# KiCad board JumperLuxRev2Breadboard.kicad_pcb (continued)
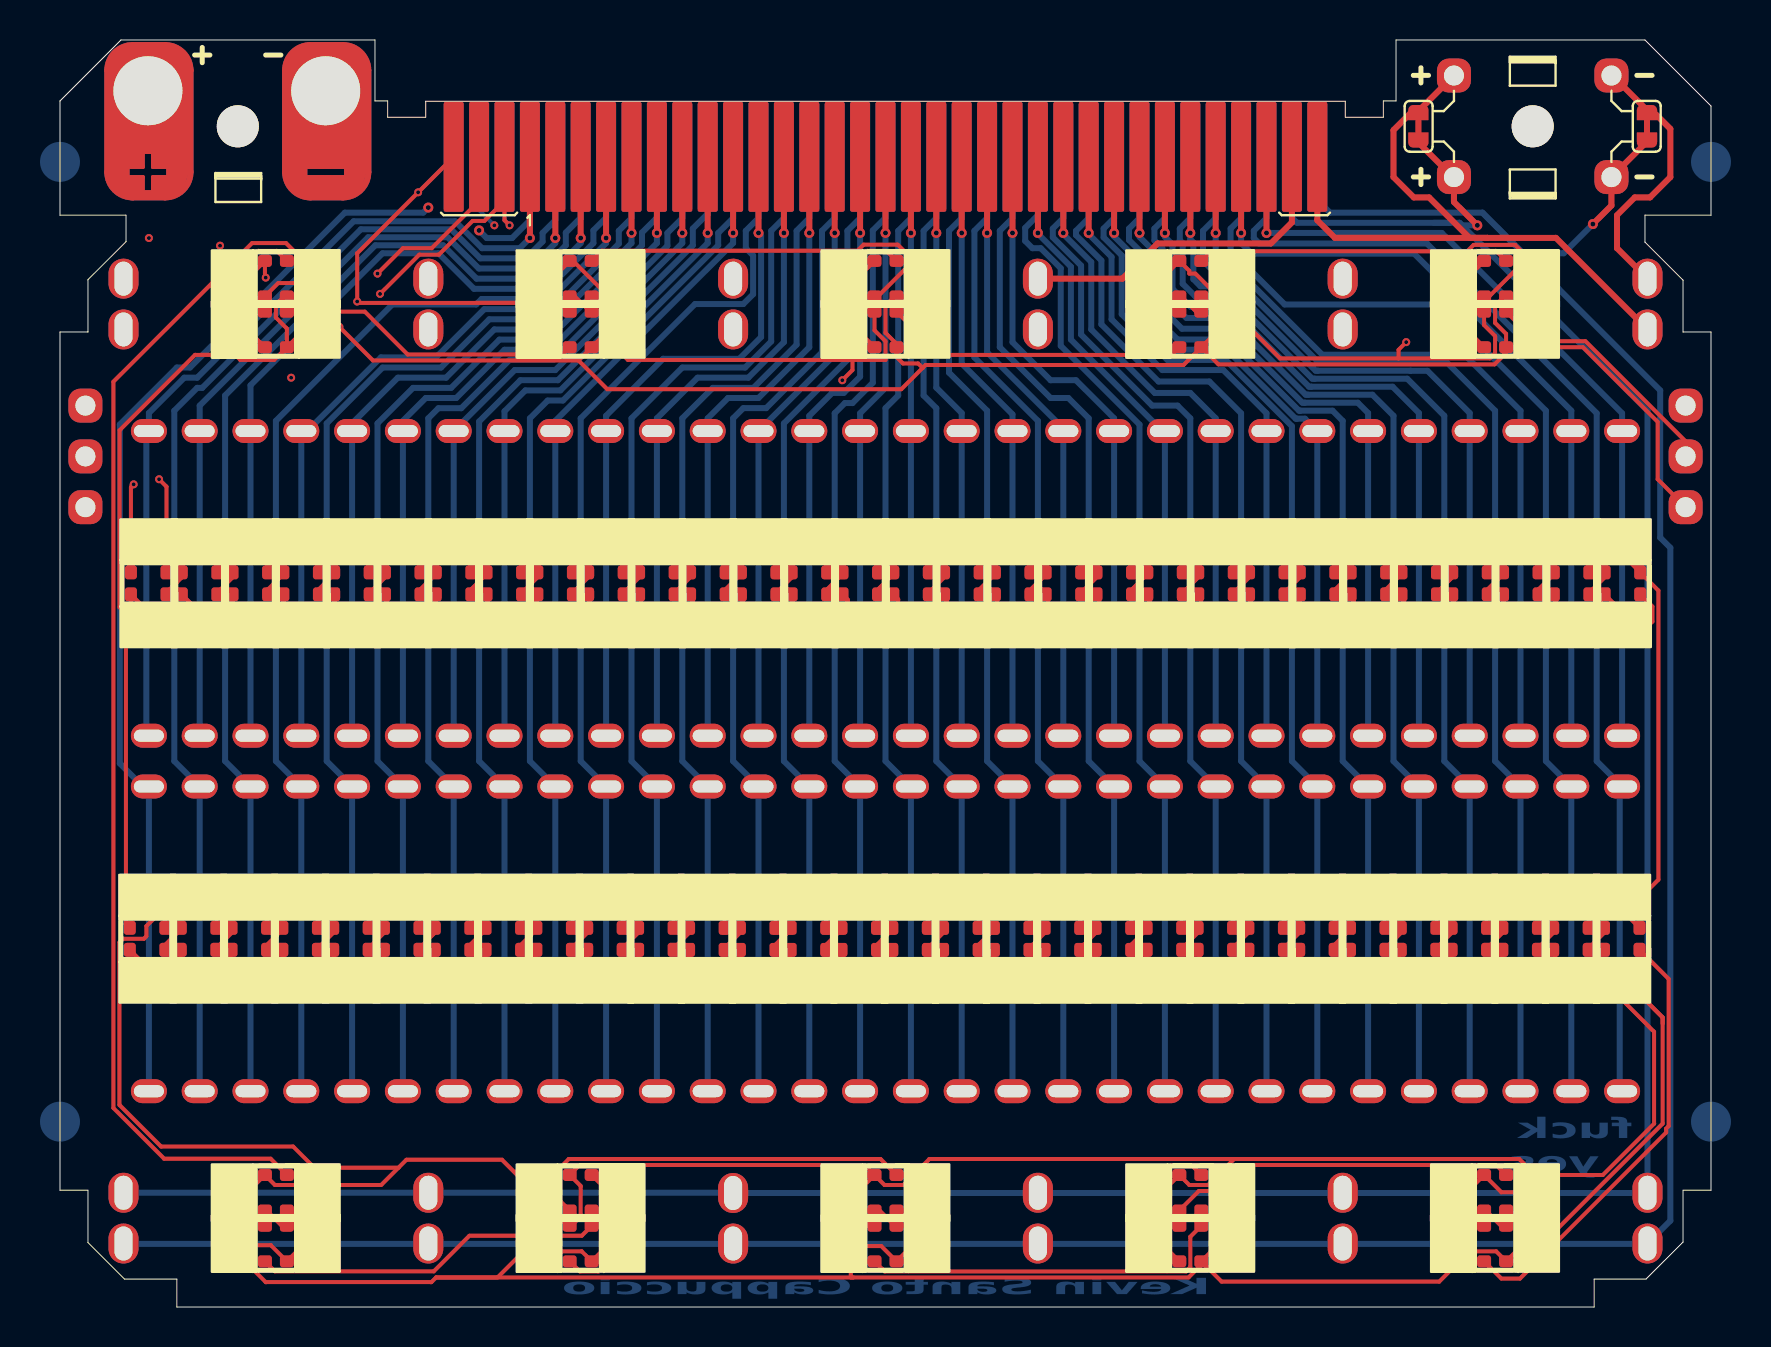
[diagram p0: board, top side]
## Routing (per net, layer and track width the routed paths; a pad name or vN(x,y) marks a point on that pad's centre or on a via; arc(x,y) is an arc through that point) (continued)
  In1.Cu w0.2: v1(78.68,15.94) 79.96,17.22 79.96,33.45 v1(78.87,34.54) 78.99,34.54 81.28,36.83 TP22.1 ; 3.39,15.28 2.79,15.88 2.79,33.4 v1(3.68,34.29) 1.27,36.7 TP21.1 ; 3.39,15.28 3.43,15.32 v1(3.43,16.26) ; 3.39,15.28 5.6,13.07 5.6,6.44 v1(8.38,3.66) ; v1(13.97,49.02) 14.65,49.02 16,50.37 v1(16,50.67)
  Bottom w0.2: J1.67 22.23,54.36 v1(22.48,54.1)
LED_GND: length 541.2
  Top w0.2: D15.2 40.87,36.78 40.87,37.34 ; 10.41,37.34 10.41,36.75 D3.2 ; 10.41,37.34 12.93,37.34 ; 10.41,37.34 7.85,37.34 ; D53.2 61.2,19.46 61.14,19.52 ; 78.43,19.52 78.74,19.83 v1(78.74,20.19) 79.92,21.37 79.92,35.83 D30.2 78.41,37.34 ; 78.43,19.52 76.58,19.52 ; 78.43,19.52 D60.2 ; 12.83,19.52 12.9,19.45 D34.2 ; 12.83,19.52 15.39,19.52 ; 12.83,19.52 10.26,19.52 ; 45.97,37.34 45.98,37.34 D17.2 ; 45.97,37.34 48.49,37.34 ; 45.97,37.34 43.38,37.34 ; 20.52,19.52 20.52,19.51 D37.2 ; 20.52,19.52 23.11,19.52 ; 20.52,19.52 17.98,19.52 ; 51.05,37.34 51.05,36.75 D19.2 ; 51.05,37.34 48.49,37.34 ; 51.05,37.34 53.67,37.34 ; 5.77,19.52 5.74,19.52 5.27,19.04 D31.2 5.26,18.98 5.26,19.52 ; 5.77,19.52 5.26,19.52 ; 5.77,19.52 7.85,19.52 ; D76.2 40.18,6.05 40.18,4.3 40.41,4.06 D75.2 ; D76.2 40.23,7.1 25.99,7.1 D77.2 26.04,6.05 26.04,4.53 25.57,4.06 D78.2 25.4,4.06 22.1,7.37 17.32,7.37 16.92,6.96 ; D76.2 41.23,6.1 42.17,6.1 43.47,7.4 58.71,7.4 ; 40.97,19.52 40.85,19.4 D45.2 ; 40.97,19.52 43.41,19.52 ; 40.97,19.52 38.25,19.52 ; D54.2 63.74,19.4 63.86,19.52 ; D86.2 40.81,49.78 ; D86.2 40.73,48.85 41.27,48.3 41.27,47.37 39.62,47.37 ; D86.2 40.64,49.78 40.13,50.29 40.13,51.73 D85.2 ; 15.39,19.52 17.98,19.52 ; 15.39,19.52 15.44,19.47 D35.2 ; 12.93,37.34 12.93,36.76 D4.2 ; 12.93,37.34 15.47,37.34 ; 35.71,19.52 35.77,19.46 D43.2 ; 35.71,19.52 38.25,19.52 ; 35.71,19.52 33.17,19.52 ; 40.87,37.34 38.38,37.34 ; 40.87,37.34 43.38,37.34 ; 38.38,37.34 38.38,36.76 D14.2 ; 38.38,37.34 35.79,37.34 ; 7.85,19.52 7.82,19.48 D32.2 ; 7.85,19.52 10.26,19.52 ; 48.49,19.52 45.92,19.52 ; 48.49,19.52 51.03,19.52 ; 48.49,19.52 48.47,19.5 D48.2 ; 45.92,19.52 45.93,19.51 D47.2 ; 45.92,19.52 43.41,19.52 ; 78.41,37.34 78.87,37.8 v1(78.87,37.85) ; 78.41,37.34 76.48,37.34 ; D79.2 10.16,4.06 9.69,4.53 9.69,6.05 D80.2 10.74,6.1 16.06,6.1 16.92,6.96 ; D28.2 73.93,37.34 73.94,37.34 ; 74.09,19.52 74.09,19.16 D58.2 ; 74.09,19.52 76.58,19.52 ; 74.09,19.52 71.32,19.52 ; 76.58,19.52 76.44,19.37 D59.2 ; 61.14,19.52 58.65,19.52 ; 61.14,19.52 63.86,19.52 ; 56.16,37.34 56.16,36.76 D21.2 ; 56.16,37.34 58.67,37.34 ; 56.16,37.34 53.67,37.34 ; 19.69,57.53 v1(17.91,55.75) 14.86,52.7 v1(14.86,50.29) 14.93,50.22 23.38,50.22 D84.2 ; 58.65,19.52 58.65,18.97 D52.2 ; 58.65,19.52 56.08,19.52 ; 16.92,6.96 12.72,6.96 11.66,8.03 5.05,8.03 2.97,10.11 2.97,18.24 3.15,18.42 4.19,18.42 4.32,18.54 4.32,19.05 4.78,19.52 5.26,19.52 ; 23.09,37.34 20.55,37.34 ; 23.09,37.34 23.09,36.76 D8.2 ; 23.09,37.34 25.63,37.34 ; 20.55,37.34 18.01,37.34 ; 20.55,37.34 20.55,36.76 D7.2 ; 66.22,19.52 63.86,19.52 ; 66.22,19.52 68.91,19.52 ; 66.22,19.52 66.22,19.02 D55.2 ; 58.67,37.34 58.67,36.76 D22.2 ; 58.67,37.34 61.29,37.34 ; D25.2 66.32,36.76 66.32,37.34 ; v1(76.83,16.26) 77.22,16.26 79.71,13.77 79.71,9.17 77.14,6.6 73.48,6.6 ; D26.2 68.88,36.78 68.88,37.34 ; v1(10.29,51.49) 10.24,51.53 D81.2 9.7,51.77 9.7,50.25 10.16,49.78 D82.2 ; 18.01,37.34 18.01,36.76 D6.2 ; 18.01,37.34 15.47,37.34 ; 30.73,37.34 D11.2 ; 30.73,37.34 33.17,37.34 ; 30.73,37.34 28.19,37.34 ; 53.59,19.52 51.03,19.52 ; 53.59,19.52 53.56,19.48 D50.2 ; 53.59,19.52 56.08,19.52 ; 51.03,19.52 51.01,19.5 D49.2 ; 63.78,37.34 63.78,36.76 D24.2 ; 63.78,37.34 66.32,37.34 ; 63.78,37.34 61.29,37.34 ; 76.48,37.34 73.94,37.34 ; 76.48,37.34 76.47,37.34 D29.2 ; 73.94,37.34 71.37,37.34 ; 73.48,6.6 73.48,6.38 72.85,5.74 72.07,5.74 D72.2 70.66,6.05 70.66,4.53 71.12,4.06 D71.2 ; 73.48,6.6 73.48,6.88 72.96,7.4 58.71,7.4 ; 38.25,19.52 38.31,19.46 D44.2 ; 30.58,19.52 28.12,19.52 ; 30.58,19.52 30.68,19.41 D41.2 ; 30.58,19.52 33.17,19.52 ; 28.12,19.52 25.63,19.52 ; 28.12,19.52 28.14,19.5 D40.2 ; D12.2 33.17,36.85 33.17,37.34 ; 43.41,19.52 43.39,19.5 D46.2 ; v1(5.33,20.45) 5.33,19.59 5.26,19.52 ; 25.63,19.52 23.11,19.52 ; 25.63,19.52 25.63,19 D39.2 ; 48.49,37.34 48.49,36.78 D18.2 ; 66.93,47.45 61.01,47.45 56.77,51.69 56.46,51.69 56.46,51.82 D88.2 55.41,51.77 55.41,50.25 55.88,49.78 D87.2 ; 66.93,47.45 66.93,47.88 v1(67.31,48.26) ; 66.93,47.45 71.49,47.45 71.76,47.71 71.76,48.56 71.21,49.11 D90.2 71.12,49.78 70.66,50.25 70.66,51.77 D89.2 ; D57.2 71.32,19 71.32,19.52 ; 7.85,37.34 7.87,37.33 D2.2 ; 7.85,37.34 5.84,37.34 5.33,36.83 D1.2 5.33,41.03 v1(4.95,41.4) ; D16.2 43.38,36.8 43.38,37.34 ; 68.88,37.34 66.32,37.34 ; 68.88,37.34 71.37,37.34 ; 28.19,37.34 25.63,37.34 ; 28.19,37.34 28.19,36.75 D10.2 ; 25.63,37.34 25.63,36.76 D9.2 ; 68.91,19.52 68.82,19.42 D56.2 ; 68.91,19.52 71.32,19.52 ; 39.62,47.37 28.4,47.37 27.48,48.29 27.48,50.49 25.65,52.32 D84.2 ; 39.62,47.37 39.62,46.86 v1(39.12,46.35) ; 61.29,37.34 61.29,36.81 D23.2 ; D42.2 33.23,19.46 33.17,19.52 ; 53.67,37.34 53.67,36.81 D20.2 ; 58.71,7.4 57.41,6.1 56.46,6.1 D73.2 55.41,6.05 55.41,4.53 55.88,4.06 D74.2 ; 35.79,37.34 33.17,37.34 ; 35.79,37.34 35.79,36.78 D13.2 ; 10.26,19.52 10.36,19.42 D33.2 ; D5.2 15.47,36.76 15.47,37.34 ; 23.11,19.52 23.06,19.46 D38.2 ; 71.37,37.34 71.37,36.76 D27.2 ; D84.2 24.94,51.77 24.94,50.25 25.4,49.78 D83.2 ; 56.08,19.52 56.08,18.99 D51.2 ; 17.98,19.52 17.98,19.51 D36.2
  In1.Cu w0.2: v1(76.83,16.26) 78.74,18.16 v1(78.74,20.19) ; 44.83,47.69 66.75,47.69 v1(67.31,48.26) 70.54,51.49 74.88,51.49 TP23.1 78.66,42.47 78.66,38.05 v1(78.87,37.85) ; 44.83,47.69 44.66,47.69 ; 44.83,47.69 40.46,47.69 v1(39.12,46.35) ; v1(17.91,55.75) 10.67,55.75 v1(8,53.09) ; v1(4.95,41.4) TP20.1 7.67,51.49 v1(10.29,51.49) 11.13,52.32 12.83,52.32 v1(14.86,50.29)
  In2.Cu w0.2: v1(8,53.09) 7.62,53.47 v1(4.45,53.47) ; v1(5.33,20.45) 5.55,20.66 5.55,40.81 v1(4.95,41.4)
  Bottom w0.2: 19.69,57.53 v1(17.91,55.75)
LED_IN: length 36.9
  Top w0.2: v1(15.88,51.69) 17.15,52.96 18.59,52.96 20.96,55.33 J1.69 ; D1.3 3.55,41.01 v1(3.68,41.15)
  In1.Cu w0.2: TP16.1 2.67,41.15 v1(3.68,41.15) 4.26,40.57 5.14,40.57 5.66,41.1 5.66,46.23 9.28,49.84 15.05,49.84 15.31,50.11 15.31,51.12 v1(15.88,51.69)
LED_OUT: length 102
  Top w0.2: TP15.1 81.28,43.3 76.27,48.31 73.78,48.31 D90.1
  In1.Cu w0.2: v1(21.72,54.1) 21.72,53.14 18.81,50.23 17.09,50.23 13.34,46.48 v1(11.56,46.48)
  In2.Cu w0.2: v1(11.56,46.48) 11.88,46.8 77.66,46.8 81.28,43.18 TP15.1
  Bottom w0.2: v1(21.72,54.1) 20.96,54.86 J1.66
Net-(D1-DOUT): length 1.4
  Top w0.2: D1.1 5.33,35.73 6.09,36.49 D2.3
Net-(D2-DOUT): length 1.4
  Top w0.2: D3.3 8.63,36.49 7.87,35.73 D2.1
Net-(D3-DOUT): length 1.4
  Top w0.2: D4.3 11.17,36.66 10.41,35.9 D3.1
Net-(D4-DOUT): length 1.4
  Top w0.2: D5.3 13.71,36.66 12.95,35.9 D4.1
Net-(D5-DOUT): length 1.4
  Top w0.2: D6.3 16.25,36.49 15.49,35.73 D5.1
Net-(D6-DOUT): length 1.4
  Top w0.2: D6.1 18.03,35.9 18.79,36.66 D7.3
Net-(D7-DOUT): length 1.4
  Top w0.2: D7.1 20.57,35.9 21.33,36.66 D8.3
Net-(D8-DOUT): length 1.4
  Top w0.2: D9.3 23.87,36.49 23.11,35.73 D8.1
Net-(D10-DIN): length 1.4
  Top w0.2: D10.3 26.41,36.49 25.65,35.73 D9.1
Net-(D10-DOUT): length 1.4
  Top w0.2: D10.1 28.19,35.72 28.96,36.49 D11.3
Net-(D11-DOUT): length 1.4
  Top w0.2: D12.3 31.5,36.49 30.73,35.72 D11.1
Net-(D12-DOUT): length 1.4
  Top w0.2: D12.1 33.28,35.9 34.04,36.66 D13.3
Net-(D13-DOUT): length 1.4
  Top w0.2: D13.1 35.82,35.73 36.58,36.49 D14.3
Net-(D14-DOUT): length 1.4
  Top w0.2: D14.1 38.36,35.9 39.12,36.66 D15.3
Net-(D15-DOUT): length 1.4
  Top w0.2: D15.1 40.9,35.9 41.66,36.66 D16.3
Net-(D16-DOUT): length 1.4
  Top w0.2: D17.3 44.2,36.49 43.44,35.73 D16.1
Net-(D17-DOUT): length 1.4
  Top w0.2: D18.3 46.74,36.66 45.98,35.9 D17.1
Net-(D18-DOUT): length 1.4
  Top w0.2: D18.1 48.52,35.87 49.28,36.63 D19.3
Net-(D19-DOUT): length 1.4
  Top w0.2: D20.3 51.82,36.49 51.06,35.73 D19.1
Net-(D20-DOUT): length 1.4
  Top w0.2: D21.3 54.36,36.66 53.6,35.9 D20.1
Net-(D21-DOUT): length 1.4
  Top w0.2: D21.1 56.14,35.72 56.91,36.49 D22.3
Net-(D22-DOUT): length 1.4
  Top w0.2: D22.1 58.69,35.73 59.45,36.49 D23.3
Net-(D23-DOUT): length 1.4
  Top w0.2: D23.1 61.23,35.73 61.99,36.49 D24.3
Net-(D24-DOUT): length 1.4
  Top w0.2: D24.1 63.77,35.9 64.53,36.66 D25.3
Net-(D25-DOUT): length 1.4
  Top w0.2: D25.1 66.31,35.9 67.07,36.66 D26.3
Net-(D26-DOUT): length 1.4
  Top w0.2: D26.1 68.85,35.73 69.61,36.49 D27.3
Net-(D27-DOUT): length 1.4
  Top w0.2: D27.1 71.39,35.9 72.15,36.66 D28.3
Net-(D28-DOUT): length 1.4
  Top w0.2: D28.1 73.93,35.9 74.69,36.66 D29.3
Net-(D29-DOUT): length 1.4
  Top w0.2: D29.1 76.47,35.73 77.23,36.49 D30.3
Net-(D30-DOUT): length 92.7
  Top w0.2: D31.3 3.3,19.16 3.3,33.15 3.79,33.65 78.99,33.65 79.62,34.28 79.62,35.03 D30.1
Net-(D31-DOUT): length 1.4
  Top w0.2: D32.3 6.04,18.89 5.27,18.12 D31.1
Net-(D32-DOUT): length 1.4
  Top w0.2: D32.1 7.82,17.95 8.58,18.71 D33.3
Net-(D33-DOUT): length 1.4
  Top w0.2: D33.1 10.36,18.12 11.12,18.88 D34.3
Net-(D34-DOUT): length 1.4
  Top w0.2: D35.3 13.66,18.71 12.9,17.95 D34.1
Net-(D35-DOUT): length 1.4
  Top w0.2: D35.1 15.44,17.95 16.2,18.71 D36.3
Net-(D36-DOUT): length 1.4
  Top w0.2: D36.1 17.98,17.95 18.74,18.71 D37.3
Net-(D37-DOUT): length 1.4
  Top w0.2: D38.3 21.28,18.88 20.52,18.12 D37.1
Net-(D38-DOUT): length 1.4
  Top w0.2: D38.1 23.06,18.12 23.82,18.88 D39.3
Net-(D39-DOUT): length 1.4
  Top w0.2: D40.3 26.36,18.71 25.6,17.95 D39.1
Net-(D40-DOUT): length 1.4
  Top w0.2: D41.3 28.91,18.71 28.14,17.94 D40.1
Net-(D41-DOUT): length 1.4
  Top w0.2: D42.3 31.45,18.71 30.68,17.94 D41.1
Net-(D42-DOUT): length 1.4
  Top w0.2: D43.3 33.99,18.71 33.23,17.95 D42.1
Net-(D43-DOUT): length 1.4
  Top w0.2: D43.1 35.77,18.12 36.53,18.88 D44.3
Net-(D44-DOUT): length 1.4
  Top w0.2: D44.1 38.31,18.12 39.07,18.88 D45.3
Net-(D45-DOUT): length 1.4
  Top w0.2: D46.3 41.61,18.88 40.85,18.12 D45.1
Net-(D46-DOUT): length 1.4
  Top w0.2: D46.1 43.39,17.95 44.15,18.71 D47.3
Net-(D47-DOUT): length 1.4
  Top w0.2: D47.1 45.93,18.12 46.69,18.88 D48.3
Net-(D48-DOUT): length 1.4
  Top w0.2: D48.1 48.47,17.95 49.23,18.71 D49.3
Net-(D49-DOUT): length 1.4
  Top w0.2: D49.1 51.01,17.94 51.78,18.71 D50.3
Net-(D50-DOUT): length 1.4
  Top w0.2: D51.3 54.33,18.89 53.56,18.12 D50.1
Net-(D51-DOUT): length 1.4
  Top w0.2: D52.3 56.88,18.71 56.11,17.94 D51.1
Net-(D52-DOUT): length 1.4
  Top w0.2: D53.3 59.42,18.73 58.66,17.97 D52.1
Net-(D53-DOUT): length 1.4
  Top w0.2: D53.1 61.2,17.95 61.96,18.71 D54.3
Net-(D54-DOUT): length 1.4
  Top w0.2: D54.1 63.74,18.12 64.5,18.88 D55.3
Net-(D55-DOUT): length 1.4
  Top w0.2: D56.3 67.04,18.71 66.28,17.95 D55.1
Net-(D56-DOUT): length 1.4
  Top w0.2: D56.1 68.82,17.95 69.58,18.71 D57.3
Net-(D57-DOUT): length 1.4
  Top w0.2: D58.3 72.12,18.71 71.36,17.95 D57.1
Net-(D58-DOUT): length 1.4
  Top w0.2: D59.3 74.66,18.71 73.9,17.95 D58.1
Net-(D59-DOUT): length 1.4
  Top w0.2: D59.1 76.44,17.95 77.2,18.71 D60.3
Net-(D60-DOUT): length 22.3
  Top w0.2: D60.1 80.43,16.41 80.43,9.05 80.31,8.92 80.31,8.73 73,1.42 72.07,1.42 D71.3
Net-(D71-DOUT): length 1.4
  Top w0.2: D72.3 71.29,4.83 72.05,4.06 D71.1
Net-(D72-DOUT): length 17.5
  Top w0.2: D72.1 71.81,7.1 58.83,7.1 57.53,5.8 56.94,5.8 D73.3
Net-(D73-DOUT): length 7
  Top w0.2: D74.3 55.12,3.14 55.12,6.6 55.62,7.1 56.57,7.1 D73.1
Net-(D74-DOUT): length 18.4
  Top w0.2: D74.1 56.52,3.51 56.52,1.99 56.3,1.78 41.23,1.78 D75.3
Net-(D75-DOUT): length 1.4
  Top w0.2: 41.83,4.06 41.74,4.06 40.98,4.83 D76.3
Net-(D76-DOUT): length 19.7
  Top w0.2: D77.3 24.94,5.38 24.94,6.9 25.44,7.4 41.02,7.4 41.83,6.6
Net-(D77-DOUT): length 7
  Top w0.2: D77.1 27.44,5.75 27.44,2.29 26.92,1.78 25.99,1.78 D78.3
Net-(D78-DOUT): length 17.5
  Top w0.2: D78.1 26.09,3.56 20.47,3.56 18.69,1.79 10.74,1.79 D79.3
Net-(D79-DOUT): length 1.4
  Top w0.2: D79.1 11.09,4.06 10.33,4.83 D80.3
Net-(D80-DOUT): length 62.1
  Top w0.2: D80.1 10.53,7.42 5.21,7.42 2.67,9.95 2.67,46.28 9.6,53.21 11.3,53.21 11.9,52.62 11.9,51.21 10.91,51.21 D81.3
Net-(D81-DOUT): length 7.1
  Top w0.2: D81.1 10.85,52.82 9.9,52.82 9.35,52.27 9.35,48.9 D82.3
Net-(D82-DOUT): length 15.2
  Top w0.2: D82.1 15.24,49.78 17.38,47.64 25.12,47.64 D83.3
Net-(D83-DOUT): length 1.4
  Top w0.2: D83.1 26.5,49.78 25.74,50.55 D84.3
Net-(D84-DOUT): length 19.2
  Top w0.2: D85.3 40.89,50.55 42.38,52.03 42.38,52.65 41.88,53.14 40.18,53.14 39.88,52.83 27.09,52.83 D84.1
Net-(D85-DOUT): length 7.1
  Top w0.2: D86.3 39.83,48.9 39.83,52.3 40.35,52.82 41.33,52.82 41.83,52.32
Net-(D86-DOUT): length 15.2
  Top w0.2: D87.3 55.58,47.62 43.99,47.62 41.83,49.78
Net-(D87-DOUT): length 1.4
  Top w0.2: D87.1 56.81,49.78 56.05,50.55 D88.3
Net-(D88-DOUT): length 19.7
  Top w0.2: D88.1 57.55,52.81 70.37,52.81 70.68,53.12 72.76,53.12 73.13,52.76 73.13,52.21 71.46,50.55 D89.3
Net-(D89-DOUT): length 7.2
  Top w0.2: 72.14,52.32 D89.1 71.81,52.82 70.81,52.82 70.36,52.37 70.36,48.86 D90.3
Net-(J1-Pin_1): length 44.1
  Top w0.3: J1.1 v2(23.49,53.47)
  Bottom w0.3: v2(23.49,53.47) 22.99,52.96 21.1,52.96 19.76,54.3 14.68,54.3 6.86,46.48 6.21,46.48 4.45,44.71 J11.1 4.32,43.69 4.32,28.7 J11.1
Net-(J1-Pin_2): length 43.3
  Top w0.3: 24.77,57.53 v2(24.77,53.47)
  Bottom w0.3: v2(24.77,53.47) 24.77,53.21 23.49,51.94 20.94,51.94 19.38,53.5 15.4,53.5 6.99,45.08 J11.2 J11.2
Net-(J1-Pin_3): length 42.8
  Top w0.3: J1.3 v2(26.04,53.47)
  Bottom w0.3: J11.3 J11.3 9.52,46.1 16.13,52.7 18.92,52.7 20.7,50.93 23.75,50.93 26.04,53.21 v2(26.04,53.47)
Net-(J1-Pin_4): length 38.7
  Top w0.3: J1.4 v2(27.3,53.47)
  Bottom w0.3: v2(27.3,53.47) 27.3,53.21 24,49.91 21.21,49.91 18.8,47.5 16.05,47.5 12.37,43.81 12.07,43.81 12.07,28.57
Net-(J1-Pin_5): length 37.6
  Top w0.3: J1.5 v2(28.58,53.72)
  Bottom w0.3: J11.5 J11.5 14.6,44.2 16.89,46.48 19.3,46.48 21.72,48.89 24.26,48.89 28.58,53.21 v2(28.58,53.72)
Net-(J1-Pin_6): length 36.4
  Top w0.3: 29.85,57.53 v2(29.85,53.72)
  Bottom w0.3: v2(29.85,53.72) 29.85,53.21 24.51,47.88 22.23,47.88 19.81,45.47 18.29,45.47 17.15,44.32 J11.6 J11.6
Net-(J1-Pin_7): length 34.9
  Top w0.3: J1.7 v2(31.12,53.72)
  Bottom w0.3: 19.69,28.57 19.69,43.81 22.73,46.86 24.77,46.86 31.12,53.21 v2(31.12,53.72)
Net-(J1-Pin_8): length 34.2
  Top w0.3: J1.8 v2(32.38,53.72)
  Bottom w0.3: v2(32.38,53.72) 32.38,53.21 25.02,45.85 23.27,45.85 22.23,44.8 J11.8 J11.8
Net-(J1-Pin_9): length 32.6
  Top w0.3: J1.9 v2(33.66,53.72)
  Bottom w0.3: v2(33.66,53.72) 33.66,53.21 24.77,44.32 24.77,28.57
Net-(J1-Pin_10): length 34.5
  Top w0.3: J1.10 v2(34.93,53.72)
  Bottom w0.3: J11.10 J11.10 27.3,44.58 30.16,47.43 33.97,47.43 35.05,48.52 35.05,53.59 v2(34.93,53.72)
Net-(J1-Pin_11): length 33.1
  Top w0.3: J1.11 v2(36.2,53.72)
  Bottom w0.3: v2(36.2,53.72) 36.2,48.26 34.42,46.48 31.88,46.48 29.85,44.45 29.85,28.57
Net-(J1-Pin_12): length 32
  Top w0.3: J1.12 v2(37.46,53.72)
  Bottom w0.3: v2(37.46,53.72) 37.46,48.01 34.93,45.47 33.4,45.47 32.38,44.45 J11.12 J11.12
Net-(J1-Pin_13): length 30.5
  Top w0.3: J1.13 v2(38.74,53.72)
  Bottom w0.3: J11.13 J11.13 38.74,47.62 v2(38.74,53.72)
Net-(J1-Pin_14): length 30.3
  Top w0.3: J1.14 v2(40.01,53.72)
  Bottom w0.3: J11.14 J11.14 37.46,44.58 38.61,45.72 39.19,45.72 40.01,46.54 v2(40.01,53.72)
Net-(J1-Pin_15): length 29.5
  Top w0.3: J1.15 v2(41.27,53.72)
  Bottom w0.3: v2(41.27,53.72) 41.27,45.97 40.01,44.7 J11.15 J11.15
Net-(J1-Pin_16): length 29
  Top w0.3: 42.55,57.53 v2(42.55,53.72)
  Bottom w0.3: v2(42.55,53.72) 42.55,28.57
Net-(J1-Pin_17): length 29.5
  Top w0.3: J1.17 v2(43.82,53.72)
  Bottom w0.3: J11.17 J11.17 45.09,44.71 43.82,45.98 v2(43.82,53.72)
Net-(J1-Pin_18): length 30
  Top w0.3: J1.18 v2(45.09,53.72)
  Bottom w0.3: v2(45.09,53.72) 45.09,47.19 47.63,44.65 47.63,28.57
Net-(J1-Pin_19): length 30.5
  Top w0.3: J1.19 v2(46.35,53.72)
  Bottom w0.3: v2(46.35,53.72) 46.35,47.75 50.16,43.94 J11.19 J11.19
Net-(J1-Pin_20): length 31.8
  Top w0.3: 47.63,57.53 v2(47.63,53.72)
  Bottom w0.3: J11.20 J11.20 52.71,44.45 50.8,46.35 49.53,46.35 47.63,48.26 v2(47.63,53.72)
Net-(J1-Pin_21): length 31.7
  Top w0.3: J1.21 v2(48.9,53.72)
  Bottom w0.3: v2(48.9,53.72) 48.9,53.68 50.55,52.03 50.55,48.39 55.12,43.81 J11.21 J11.21
Net-(J1-Pin_22): length 33.2
  Top w0.3: J1.22 v2(50.16,53.72)
  Bottom w0.3: J11.22 J11.22 57.79,44.45 56.52,45.72 54.74,45.72 51.56,48.89 51.56,52.27 50.16,53.66 v2(50.16,53.72)
Net-(J1-Pin_23): length 34.4
  Top w0.3: J1.23 v2(51.44,53.72)
  Bottom w0.3: v2(51.44,53.72) 51.44,53.66 52.58,52.52 52.58,49.4 55.12,46.86 58.17,46.86 60.33,44.7 60.33,28.57
Net-(J1-Pin_24): length 35
  Top w0.3: J1.24 v2(52.71,53.72)
  Bottom w0.3: v2(52.71,53.72) 52.71,53.55 53.59,52.66 53.59,49.91 55.63,47.88 58.34,47.88 61.79,44.43 62.25,44.43 J11.24 J11.24
Net-(J1-Pin_25): length 36.7
  Top w0.3: J1.25 v2(53.98,53.72)
  Bottom w0.3: v2(53.98,53.72) 53.98,53.52 54.63,52.87 54.63,50.4 56.1,48.93 58.42,48.93 62.12,45.23 62.23,45.23 64.89,45.23 65.41,44.71 65.41,28.57
Net-(J1-Pin_26): length 37.8
  Top w0.3: J1.26 v2(55.24,53.72)
  Bottom w0.3: v2(55.24,53.72) 55.24,53.52 55.63,53.14 55.63,50.93 56.52,50.04 58.44,50.04 62.45,46.03 62.57,46.03 66.63,46.03 67.95,44.71 J11.26 J11.26
Net-(J1-Pin_27): length 38.9
  Top w0.3: J1.27 v2(56.52,53.72)
  Bottom w0.3: v2(56.52,53.72) 56.52,53.4 56.67,53.25 56.67,51.41 57.02,51.05 58.56,51.05 62.78,46.83 62.9,46.83 67.53,46.83 67.53,46.82 68.38,46.82 70.49,44.71 J11.27 J11.27
Net-(J1-Pin_28): length 39.6
  Top w0.3: J1.28 v2(57.79,53.72)
  Bottom w0.3: J11.28 J11.28 73.03,44.83 70.22,47.63 63.11,47.63 58.29,52.45 58.04,52.45 57.79,52.7 v2(57.79,53.72)
Net-(J1-Pin_29): length 40.6
  Top w0.3: J1.29 v2(59.05,53.72)
  Bottom w0.3: J11.29 J11.29 75.56,44.83 67.71,52.69 59.58,52.69 59.05,53.21 v2(59.05,53.72)
Net-(J1-Pin_30): length 41.5
  Top w0.3: 60.33,57.53 v2(60.33,53.72)
  Bottom w0.3: v2(60.33,53.72) 69.09,53.72 78.11,44.7 78.11,28.57
Net-(J1-Pin_31): length 63.3
  In1.Cu w0.3: v2(20.95,53.85) 19.56,53.85 v2(18.41,54.99)
  Bottom w0.3: J11.31 J11.31 4.15,26.03 2.99,27.19 2.99,44.14 5.84,46.99 6.5,46.99 14.25,54.74 18.16,54.74 v2(18.41,54.99) ; J1.31 23.49,54.36 22.61,53.47 21.34,53.47 v2(20.95,53.85)
Net-(J1-Pin_32): length 62.2
  Bottom w0.3: J11.32 J11.32 5.71,27.3 5.71,44.83 6.86,45.97 7.11,45.97 15.04,53.9 19.56,53.9 21.01,52.45 23.29,52.45 24.13,53.29 24.13,53.72 24.77,54.36 24.77,57.53
Net-(J1-Pin_33): length 61.6
  Bottom w0.3: J1.33 26.04,54.48 25.29,53.74 25.29,53.1 23.62,51.44 20.83,51.44 19.16,53.1 15.77,53.1 8.26,45.59 8.26,27.3 J11.33 J11.33
Net-(J1-Pin_34): length 58.2
  Bottom w0.3: 12.07,10.79 12.07,26.03 10.8,27.3 10.8,44.32 16.62,50.14 20.81,50.14 21.08,50.42 23.88,50.42 26.67,53.21 26.67,53.85 27.3,54.48 J1.34
Net-(J1-Pin_35): length 56.9
  Bottom w0.3: J1.35 28.58,54.46 27.94,53.83 27.94,53.18 24.16,49.4 21.46,49.4 19.05,46.99 16.13,46.99 13.34,44.2 13.34,27.3 J11.35 J11.35
Net-(J1-Pin_36): length 55.6
  Bottom w0.3: J11.36 J11.36 15.88,27.3 15.88,44.2 17.65,45.97 19.56,45.97 21.97,48.39 24.38,48.39 29.1,53.1 29.1,53.74 29.85,54.48 29.85,57.53
Net-(J1-Pin_37): length 54.5
  Bottom w0.3: J1.37 31.12,54.46 30.37,53.72 30.37,53.08 24.66,47.37 22.48,47.37 20.06,44.95 18.92,44.95 18.41,44.45 18.41,27.3 19.69,26.03 19.69,10.79
Net-(J1-Pin_38): length 53.1
  Bottom w0.3: J1.38 32.38,54.68 31.64,53.94 31.64,53.1 24.89,46.35 23.02,46.35 20.96,44.29 20.96,27.3 J11.38 J11.38
Net-(J1-Pin_39): length 51.9
  Bottom w0.3: 24.77,10.79 24.77,26.03 23.49,27.3 23.49,44.45 24.38,45.34 25.15,45.34 32.91,53.1 32.91,53.72 33.66,54.46 J1.39
Net-(J1-Pin_40): length 52.7
  Bottom w0.3: J11.40 J11.40 26.04,27.3 26.04,44.45 31.75,50.16 34.16,50.16 34.66,50.66 34.66,52.59 34.29,52.96 34.29,53.83 34.93,54.46 J1.40
Net-(J1-Pin_41): length 52.3
  Bottom w0.3: 29.85,10.79 29.85,26.03 28.58,27.3 28.58,44.45 31.12,46.99 34.26,46.99 35.56,48.29 35.56,53.83 36.2,54.46 J1.41
Net-(J1-Pin_42): length 51.1
  Bottom w0.3: J11.42 J11.42 31.12,27.3 31.12,44.45 32.64,45.97 34.67,45.97 36.83,48.13 36.83,53.83 37.46,54.46 J1.42
Net-(J1-Pin_43): length 50
  Bottom w0.3: J1.43 38.74,54.46 38.1,53.83 38.1,47.75 35.31,44.96 34.16,44.96 33.66,44.45 33.66,27.3 J11.43 J11.43
Net-(J1-Pin_44): length 48.8
  Bottom w0.3: J11.44 J11.44 36.2,27.3 36.2,44.2 39.37,47.37 39.37,53.83 40.01,54.46 J1.44
Net-(J1-Pin_45): length 48.5
  Bottom w0.3: J1.45 41.27,54.48 40.64,53.85 40.64,46.23 39.62,45.21 39.24,45.21 38.74,44.7 38.74,27.3 J11.45 J11.45
Net-(J1-Pin_46): length 47.8
  Bottom w0.3: 42.55,10.79 42.55,26.03 41.27,27.3 41.27,44.96 41.91,45.59 41.91,53.83 42.55,54.46 42.55,57.53
Net-(J1-Pin_47): length 47.8
  Bottom w0.3: J1.47 43.82,54.46 43.18,53.83 43.18,45.59 43.82,44.96 43.82,27.3 J11.47 J11.47
Net-(J1-Pin_48): length 48.3
  Bottom w0.3: J1.48 45.09,54.46 44.45,53.83 44.45,46.74 46.35,44.83 46.35,27.3 47.63,26.03 47.63,10.79
Net-(J1-Pin_49): length 48.8
  Bottom w0.3: J1.49 46.35,54.46 45.72,53.83 45.72,47.5 48.9,44.32 48.9,27.3 J11.49 J11.49
Net-(J1-Pin_50): length 49.9
  Bottom w0.3: J11.50 J11.50 51.44,27.3 51.44,44.45 50.42,45.47 49.53,45.47 46.99,48.01 46.99,53.83 47.63,54.46 47.63,57.53
Net-(J1-Pin_51): length 50.1
  Bottom w0.3: J11.51 J11.51 53.98,27.3 53.98,44.14 50.04,48.08 50.04,51.96 49.04,52.96 48.62,52.96 48.26,53.32 48.26,53.97 48.9,54.61 J1.51
Net-(J1-Pin_52): length 51.1
  Bottom w0.3: J1.52 50.16,54.46 49.64,53.94 49.64,53.5 51.05,52.09 51.05,48.64 54.61,45.08 55.88,45.08 56.52,44.45 56.52,27.3 J11.52 J11.52
Net-(J1-Pin_53): length 52.4
  Bottom w0.3: 60.33,10.79 60.33,26.03 59.05,27.3 59.05,44.7 57.47,46.29 54.93,46.29 52.07,49.15 52.07,52.34 50.8,53.61 50.8,53.83 51.44,54.46 J1.53
Net-(J1-Pin_54): length 53.1
  Bottom w0.3: J11.54 J11.54 61.6,27.3 61.6,44.06 58.28,47.37 55.37,47.37 53.09,49.66 53.09,52.6 52.18,53.5 52.18,53.94 52.71,54.46 J1.54
Net-(J1-Pin_55): length 54.4
  Bottom w0.3: 65.41,10.79 65.41,26.03 64.13,27.3 64.13,44.32 63.63,44.83 61.95,44.83 58.39,48.39 55.87,48.39 54.1,50.16 54.1,52.7 54.11,52.71 53.45,53.37 53.45,53.94 53.98,54.46 J1.55
Net-(J1-Pin_56): length 55.6
  Bottom w0.3: J11.56 J11.56 66.68,27.3 66.68,44.58 65.62,45.63 62.28,45.63 58.45,49.47 56.32,49.47 55.12,50.67 55.12,52.95 54.72,53.35 54.72,53.94 55.24,54.46 J1.56
Net-(J1-Pin_57): length 56.8
  Bottom w0.3: J11.57 J11.57 69.22,27.3 69.22,44.58 67.36,46.43 62.62,46.43 58.5,50.55 56.77,50.55 56.13,51.18 56.13,53.21 55.99,53.36 55.99,53.94 56.52,54.46 J1.57
Net-(J1-Pin_58): length 57.7
  Bottom w0.3: J11.58 J11.58 71.76,27.3 71.76,44.83 69.35,47.23 62.95,47.23 58.49,51.69 57.79,51.69 57.15,52.32 57.15,53.83 57.79,54.46 J1.58
Net-(J1-Pin_59): length 58.5
  Bottom w0.3: J1.59 59.05,54.46 58.53,53.94 58.53,52.85 61.23,50.14 68.98,50.14 74.3,44.83 74.3,27.3 J11.59 J11.59
Net-(J1-Pin_60): length 59.6
  Bottom w0.3: 78.11,10.79 77.99,10.91 77.99,25.92 78.11,26.03 76.84,27.3 76.84,44.7 68.34,53.2 59.96,53.2 59.69,53.47 59.69,53.83 60.33,54.46 60.33,57.53
Net-(J1-Pin_61): length 120
  Top w0.3: TP27.1 77.62,61.59 JP2.1 79.58,59.87 80.52,58.93 80.52,56.51 79.5,55.5 78.74,55.5 77.85,54.61 77.85,52.96 J11.61 ; J1.61 61.6,54.25 60.54,53.2 54.88,53.2 53.12,51.44 J11.61
  In2.Cu w0.3: J11.61 78.88,50.94 64.63,50.94 J11.61 J11.61 48.45,51.88 34.1,51.88 J11.61 J11.61 17.66,52.19 3.93,52.19 J11.61
  In2.Cu w0.4: TP26.1 15.75,58.37 15.75,54.1 J11.61
Net-(J1-Pin_62): length 124.6
  Top w0.3: 71.37,53.47 63.75,53.47 62.87,54.36 J1.62 ; 71.37,53.47 74.8,53.47 J11.62 ; 71.37,53.47 70.48,53.47 68.45,55.5 67.69,55.5 66.68,56.51 66.68,58.86 67.75,59.94 68.04,59.94 ; TP25.1 68.04,59.94 ; 68.04,59.94 67.92,59.94
  In1.Cu w0.4: J11.62 5.71,51.44 5.71,59.51 TP24.1
  In2.Cu w0.3: J11.62 3.55,48.52 18.04,48.52 J11.62 J11.62 J11.62 J11.62 J11.62
Net-(J1-Pin_63): length 147.2
  Top w0.3: JP1.1 69.65,56.51 TP29.1 69.7,55.27 v2(70.87,54.1)
  Bottom w0.3: v2(70.87,54.1) 70.1,54.1 69.98,54.23 ; J1.63 61.6,54.48 61.85,54.23 69.47,54.23 ; 69.98,54.23 69.47,54.23 ; 69.98,54.23 79.38,44.83 J11.63 79.36,5.7 J11.63 33.64,5.71 J11.63 J11.63 ; 69.47,54.23 68.71,54.23
Net-(J1-Pin_64): length 155
  Top w0.3: 79.35,58.17 79.22,58.17 TP31.1 77.57,55.09 v2(76.64,54.17)
  Bottom w0.3: 71.12,54.74 80.01,45.85 80.01,38.48 80.52,37.98 80.52,4.32 J11.64 79.36,3.16 3.19,3.16 J11.64 ; 71.12,54.74 73.15,52.7 75.18,52.7 v2(76.64,54.17) ; 71.12,54.74 63.5,54.74 62.87,55.37 J1.64

## Copper pours and planes (outline as drawn; the poured copper is in the pictures)
LED_GND on In1.Cu, In2.Cu: 22.48,66.67 -4.19,67.06 -4.57,-5.21 88.14,-5.21 89.28,68.2 22.1,66.55

## Text on the board
Bottom: fuck / yes | Kevin Santo Cappuccio
B.Silkscreen: + | - | 31 | 1 | 5V | GND | Data IN | WS2812C | Data OUT | Stay The Hell Out Of My Circuit | Jumperlux
F.Silkscreen: + | - | 31 | 1 | Jumperlux
